# KiCad board main_MagicAlonso-rounded.kicad_pcb
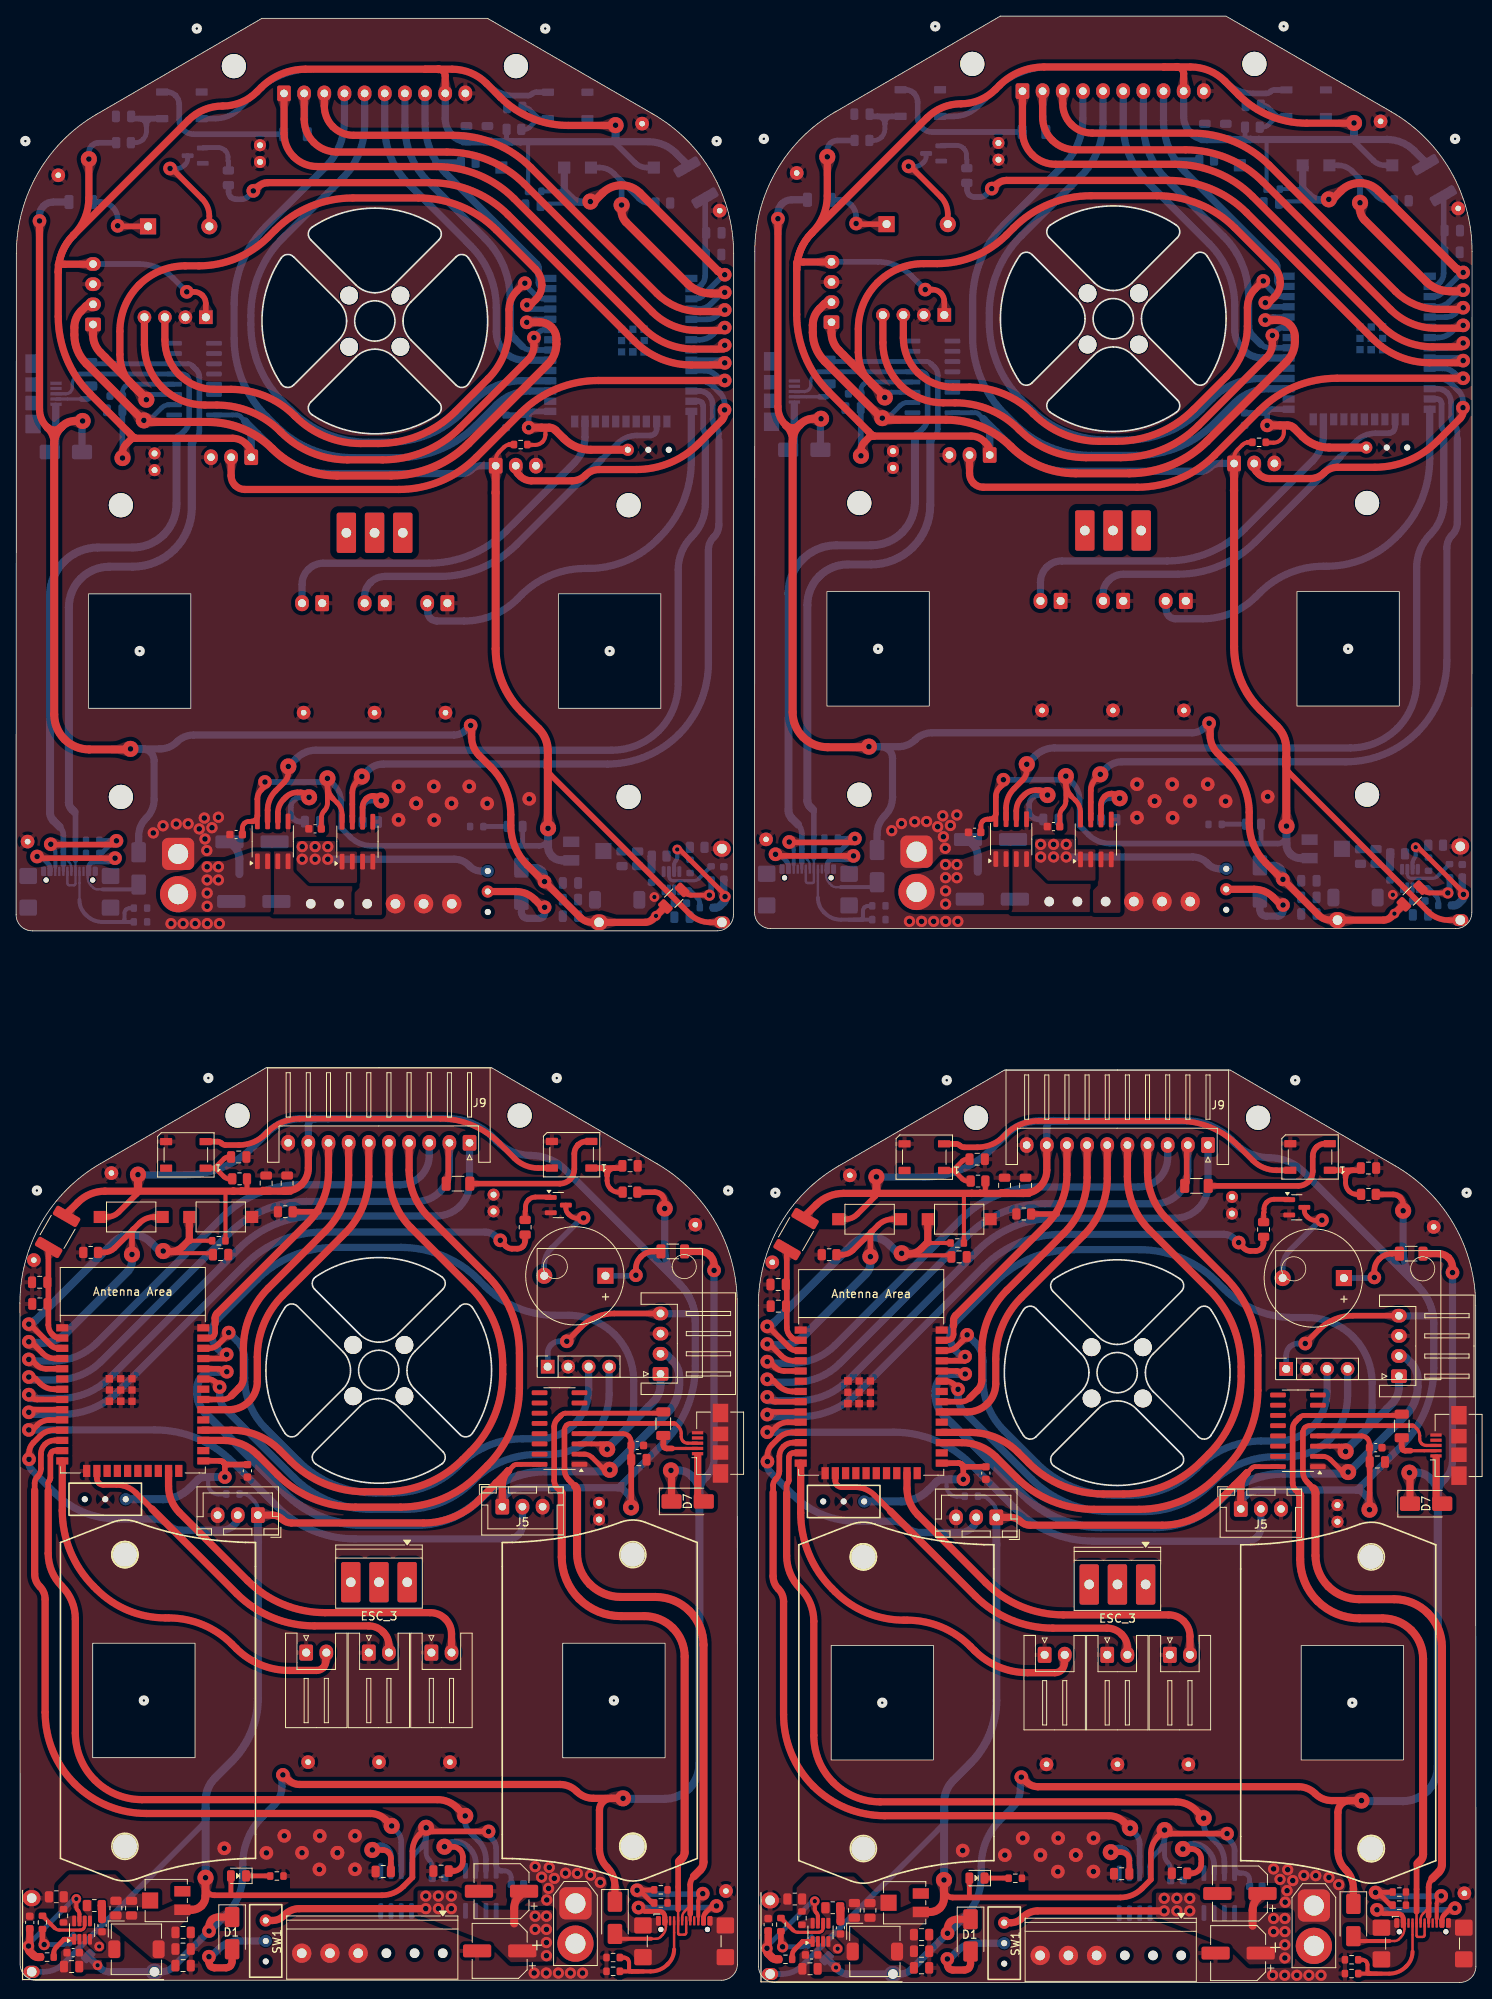
[diagram p0: board, top side]
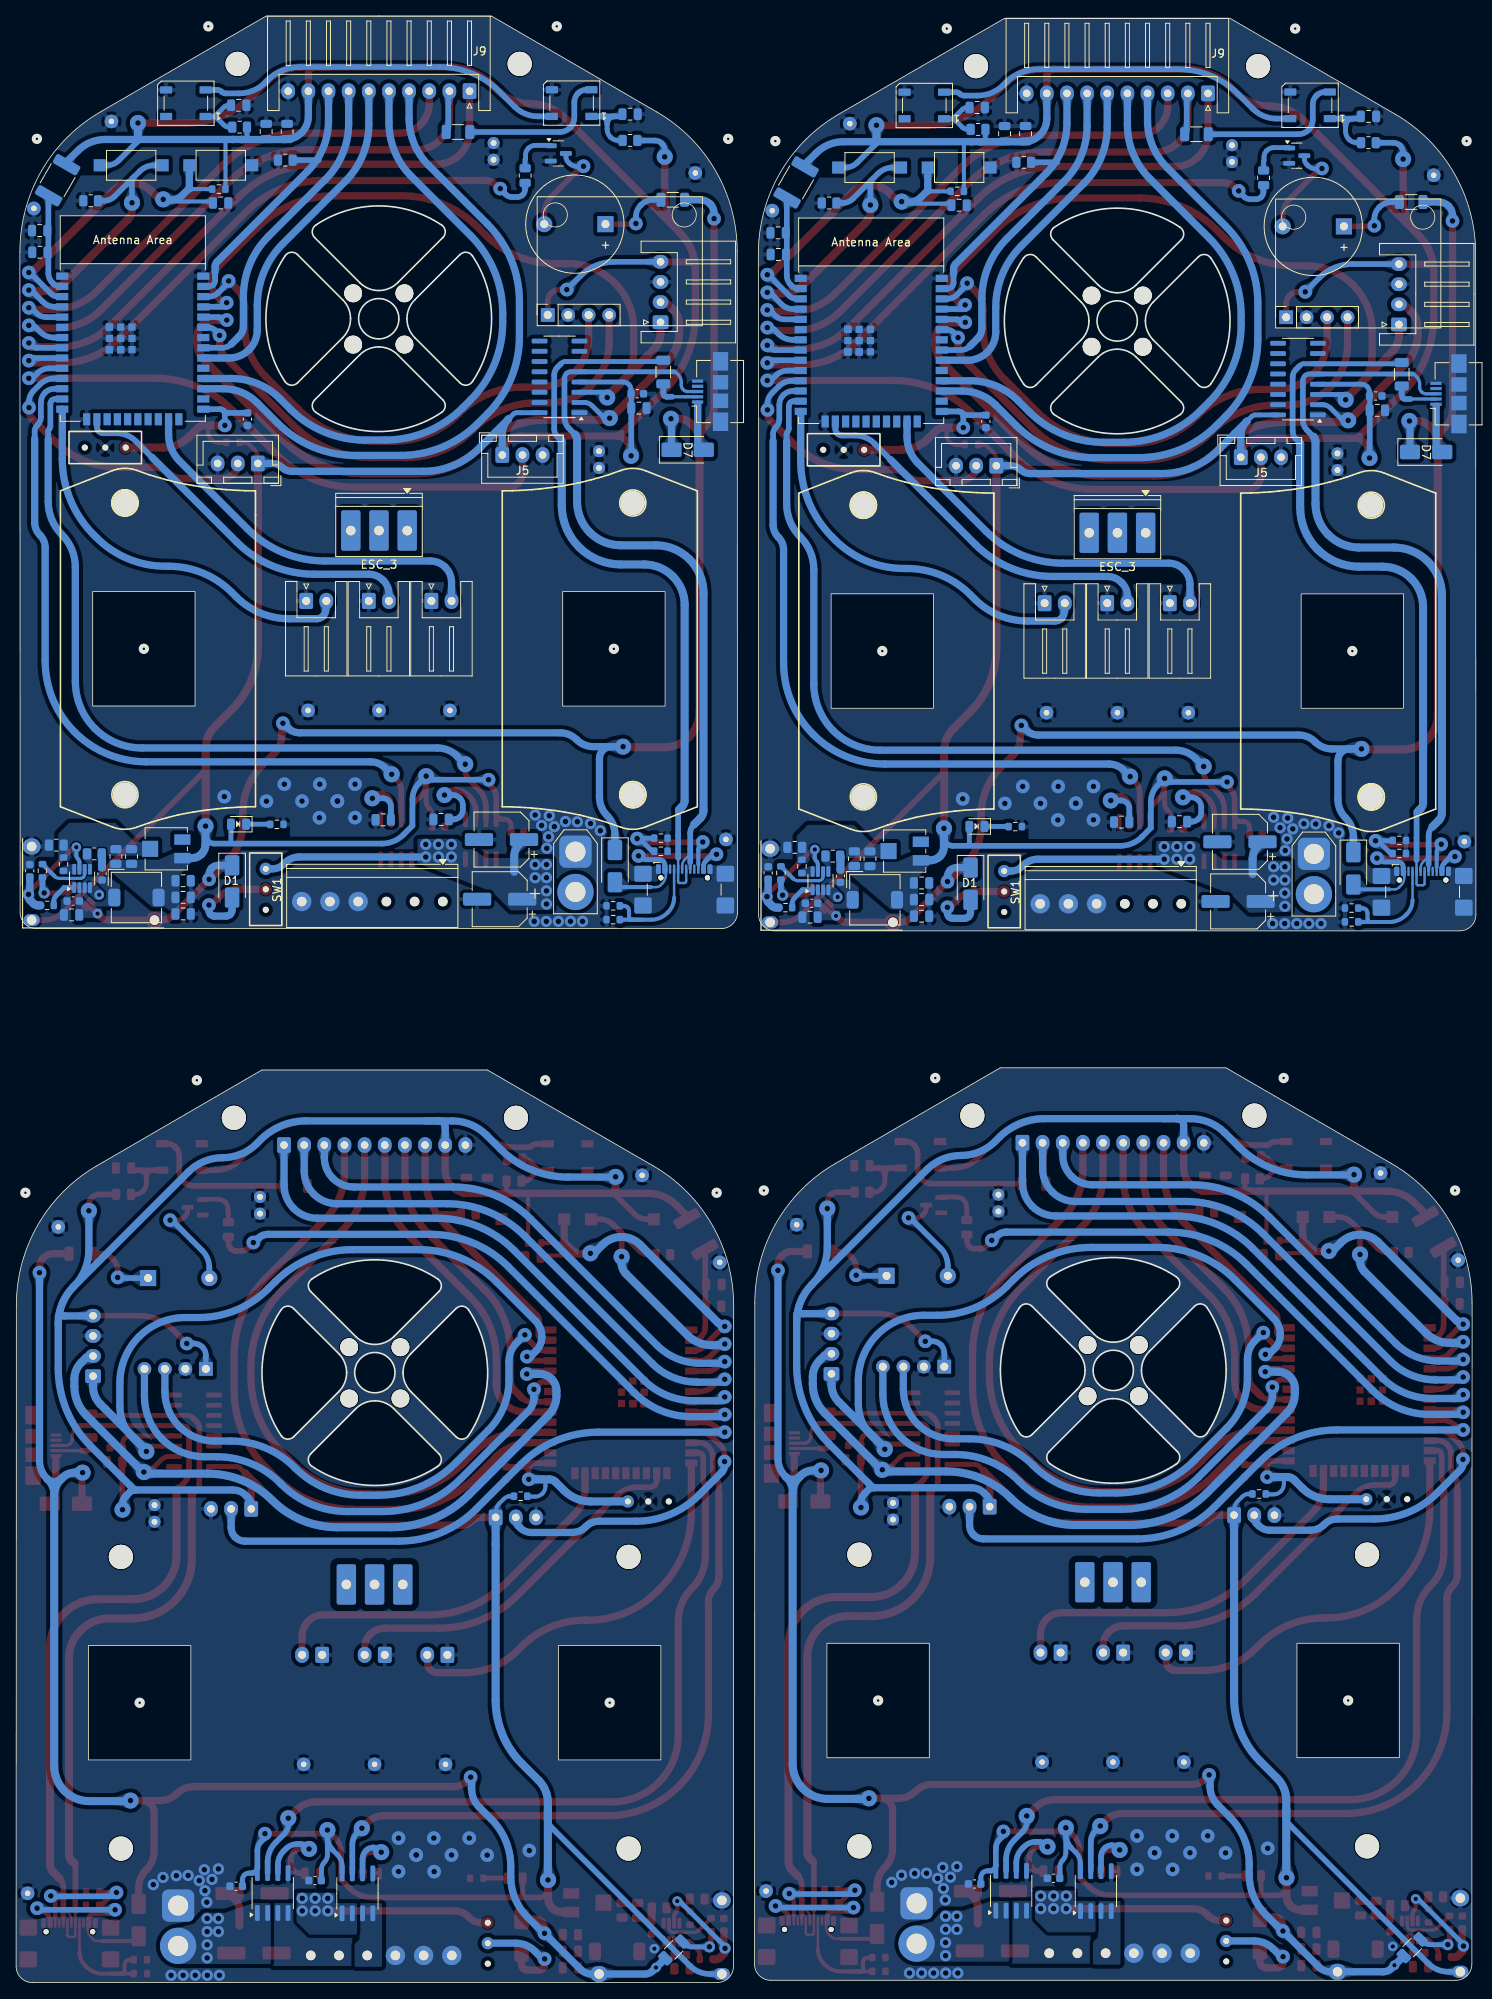
[diagram p1: board, bottom side, seen from below]

Outline 181.12 x 244.03 mm; copper layers: Top, Bottom. Coordinates in mm from the lower left corner of the outline.
Outline path: circle c1.15,228.52 r0.4 ; circle c2.58,98.29 r0.4 ; circle c15.33,165.23 r0.4 ; circle c15.85,35 r0.4 ; circle c22.42,242.48 r0.4 ; circle c23.85,112.25 r0.4 ; circle c41.32,209.38 r1 ; circle c41.32,203.02 r1 ; circle c41.81,79.15 r1 ; circle c41.81,72.78 r1 ; circle c44.51,206.2 r2.5 ; circle c44.99,75.96 r2.5 ; circle c47.69,209.38 r1 ; circle c47.69,203.02 r1 ; circle c48.18,79.15 r1 ; circle c48.18,72.78 r1 ; circle c65.65,242.48 r0.4 ; circle c67.08,112.25 r0.4 ; circle c73.65,165.24 r0.4 ; circle c74.17,35 r0.4 ; circle c86.92,228.52 r0.4 ; circle c88.35,98.29 r0.4 ; circle c92.77,228.8 r0.4 ; circle c94.2,98.01 r0.4 ; circle c106.95,165.51 r0.4 ; circle c107.47,34.72 r0.4 ; circle c114.04,242.76 r0.4 ; circle c115.47,111.97 r0.4 ; circle c132.95,209.66 r1 ; circle c132.95,203.29 r1 ; circle c133.44,78.87 r1 ; circle c133.44,72.5 r1 ; circle c136.13,206.48 r2.5 ; circle c136.62,75.69 r2.5 ; circle c139.31,209.66 r1 ; circle c139.31,203.29 r1 ; circle c139.8,78.87 r1 ; circle c139.8,72.5 r1 ; circle c157.27,242.76 r0.4 ; circle c158.7,111.97 r0.4 ; circle c165.27,165.52 r0.4 ; circle c165.79,34.72 r0.4 ; circle c178.54,228.8 r0.4 ; circle c179.97,98.01 r0.4 ; 0,132.51 0.03,214.56 arc(2.7,224.54) 9.99,231.85 30.49,243.75 58.49,243.75 79.04,231.86 arc(86.36,224.54) 89.03,214.54 89,132.51 arc(88.41,131.1) 87,130.51 2,130.51 arc(0.59,131.1) 0,132.51 ; 0.47,84.31 arc(3.14,94.3) 10.46,101.63 31.01,113.52 59.01,113.52 79.51,101.62 arc(86.8,94.3) 89.47,84.33 89.5,2.28 arc(88.91,0.86) 87.5,0.28 2.5,0.28 arc(1.09,0.86) 0.5,2.28 0.47,84.31 ; 32.89,214.01 arc(33.62,214.45) 34.43,214.16 40.03,208.55 arc(40.75,207.47) 41.01,206.2 arc(40.75,204.92) 40.03,203.84 34.43,198.24 arc(33.62,197.95) 32.89,198.39 arc(30.51,206.2) 32.89,214.01 ; 33.37,83.77 arc(34.11,84.21) 34.91,83.92 40.52,78.32 arc(41.24,77.24) 41.49,75.96 arc(41.24,74.69) 40.52,73.61 34.91,68 arc(34.11,67.72) 33.37,68.15 arc(30.99,75.96) 33.37,83.77 ; 36.55,216.28 arc(36.26,217.08) 36.7,217.82 arc(44.51,220.2) 52.32,217.82 arc(52.75,217.08) 52.47,216.28 46.86,210.67 arc(45.78,209.95) 44.51,209.7 arc(43.23,209.95) 42.15,210.67 36.55,216.28 ; 36.7,194.58 arc(36.26,195.31) 36.55,196.12 42.15,201.72 arc(43.23,202.44) 44.51,202.7 arc(45.78,202.44) 46.86,201.72 52.47,196.12 arc(52.75,195.31) 52.32,194.58 arc(44.51,192.2) 36.7,194.58 ; 37.03,86.05 arc(36.75,86.85) 37.18,87.58 arc(44.99,89.96) 52.8,87.58 arc(53.24,86.85) 52.95,86.05 47.35,80.44 arc(46.27,79.72) 44.99,79.46 arc(43.72,79.72) 42.64,80.44 37.03,86.05 ; 37.18,64.35 arc(36.74,65.08) 37.03,65.88 42.64,71.49 arc(43.72,72.21) 44.99,72.46 arc(46.27,72.21) 47.35,71.49 52.95,65.88 arc(53.24,65.08) 52.8,64.35 arc(44.99,61.96) 37.18,64.35 ; 48.01,206.2 arc(48.26,207.47) 48.98,208.55 54.59,214.16 arc(55.39,214.45) 56.13,214.01 arc(58.51,206.2) 56.13,198.39 arc(55.39,197.95) 54.59,198.24 48.98,203.84 arc(48.26,204.92) 48.01,206.2 ; 48.49,75.96 arc(48.75,77.24) 49.47,78.32 55.07,83.92 arc(55.88,84.21) 56.61,83.77 arc(58.99,75.96) 56.61,68.15 arc(55.88,67.72) 55.07,68 49.47,73.61 arc(48.75,74.69) 48.49,75.96 ; 91.62,132.79 91.65,214.84 arc(94.32,224.82) 101.61,232.13 122.11,244.03 150.11,244.03 170.67,232.14 arc(177.98,224.82) 180.65,214.82 180.62,132.79 arc(180.04,131.38) 178.62,130.79 93.62,130.79 arc(92.21,131.38) 91.62,132.79 ; 92.09,84.03 arc(94.77,94.03) 102.08,101.35 122.63,113.24 150.63,113.24 171.13,101.34 arc(178.42,94.02) 181.09,84.05 181.12,2 arc(180.54,0.59) 179.12,0 94.12,0 arc(92.71,0.59) 92.12,2 92.09,84.03 ; 124.51,214.29 arc(125.25,214.72) 126.05,214.44 131.66,208.83 arc(132.38,207.75) 132.63,206.48 arc(132.38,205.2) 131.66,204.12 126.05,198.52 arc(125.25,198.23) 124.51,198.67 arc(122.13,206.48) 124.51,214.29 ; 125,83.5 arc(125.73,83.93) 126.54,83.65 132.14,78.04 arc(132.86,76.96) 133.12,75.69 arc(132.86,74.41) 132.14,73.33 126.54,67.73 arc(125.73,67.44) 125,67.88 arc(122.62,75.69) 125,83.5 ; 128.17,216.56 arc(127.88,217.36) 128.32,218.09 arc(136.13,220.48) 143.94,218.09 arc(144.38,217.36) 144.09,216.56 138.48,210.95 arc(137.4,210.23) 136.13,209.98 arc(134.86,210.23) 133.78,210.95 128.17,216.56 ; 128.32,194.86 arc(127.88,195.59) 128.17,196.39 133.78,202 arc(134.86,202.72) 136.13,202.98 arc(137.4,202.72) 138.48,202 144.09,196.39 arc(144.38,195.59) 143.94,194.86 arc(136.13,192.48) 128.32,194.86 ; 128.66,85.77 arc(128.37,86.57) 128.81,87.3 arc(136.62,89.69) 144.43,87.3 arc(144.87,86.57) 144.58,85.77 138.97,80.16 arc(137.89,79.44) 136.62,79.19 arc(135.34,79.44) 134.26,80.16 128.66,85.77 ; 128.81,64.07 arc(128.37,64.8) 128.66,65.6 134.26,71.21 arc(135.34,71.93) 136.62,72.19 arc(137.89,71.93) 138.97,71.21 144.58,65.6 arc(144.87,64.8) 144.43,64.07 arc(136.62,61.69) 128.81,64.07 ; 139.63,206.48 arc(139.88,207.75) 140.61,208.83 146.21,214.44 arc(147.02,214.72) 147.75,214.29 arc(150.13,206.48) 147.75,198.67 arc(147.02,198.23) 146.21,198.52 140.61,204.12 arc(139.88,205.2) 139.63,206.48 ; 140.12,75.69 arc(140.37,76.96) 141.09,78.04 146.7,83.65 arc(147.5,83.93) 148.24,83.5 arc(150.62,75.69) 148.24,67.88 arc(147.5,67.44) 146.7,67.73 141.09,73.33 arc(140.37,74.41) 140.12,75.69
Stack: Top 0.035mm / dielectric 1.51mm FR4 er 4.5 / Bottom 0.035mm

## Placement (name value [footprint] x y rotation side)
BZ1  Buzzer  [Buzzer_12x9.5RM7.6]  73.12 87.7 180 top
BZ1#2  Buzzer  [Buzzer_12x9.5RM7.6]  164.75 87.43 180 top
BZ1#3  Buzzer  [Buzzer_12x9.5RM7.6]  108 218.22 0 bottom
BZ1#4  Buzzer  [Buzzer_12x9.5RM7.6]  16.38 217.94 0 bottom
C2  100uF  [CP_Elec_6.3x5.4]  151.85 11.05 180 top
C2#2  100uF  [CP_Elec_6.3x5.4]  60.22 11.33 180 top
C2#3  100uF  [CP_Elec_6.3x5.4]  29.27 141.56 0 bottom
C2#4  100uF  [CP_Elec_6.3x5.4]  120.9 141.84 0 bottom
C3  1uF  [C_0805_2012Metric]  94.55 86.62 180 top
C3#2  1uF  [C_0805_2012Metric]  2.92 86.9 180 top
C3#3  1uF  [C_0805_2012Metric]  178.2 217.42 0 bottom
C3#4  1uF  [C_0805_2012Metric]  86.58 217.14 0 bottom
C4  100nF  [C_0805_2012Metric]  2.95 84.21 180 top
C4#2  100nF  [C_0805_2012Metric]  94.57 83.94 180 top
C4#3  100nF  [C_0805_2012Metric]  178.17 214.73 0 bottom
C4#4  100nF  [C_0805_2012Metric]  86.55 214.45 0 bottom
C5  100nF  [C_0603_1608Metric]  118.92 142.74 0 top
C5#2  100nF  [C_0603_1608Metric]  27.3 142.46 0 top
C5#3  100nF  [C_0603_1608Metric]  62.2 12.23 180 bottom
C5#4  100nF  [C_0603_1608Metric]  153.82 11.95 180 bottom
C6  100nF  [C_0603_1608Metric]  37.09 143.17 0 top
C6#2  100nF  [C_0603_1608Metric]  128.71 143.45 0 top
C6#3  100nF  [C_0603_1608Metric]  52.41 12.94 180 bottom
C6#4  100nF  [C_0603_1608Metric]  144.03 12.66 180 bottom
C7  100nF  [C_0805_2012Metric]  117 90.05 0 top
C7#2  100nF  [C_0805_2012Metric]  25.37 90.33 0 top
C7#3  100nF  [C_0805_2012Metric]  64.12 220.56 180 bottom
C7#4  100nF  [C_0805_2012Metric]  155.75 220.84 180 bottom
C8  100nF  [C_0603_1608Metric]  28.7 63.5 270 top
C8#2  100nF  [C_0603_1608Metric]  120.32 63.22 270 top
C8#3  100nF  [C_0603_1608Metric]  152.42 194.02 270 bottom
C8#4  100nF  [C_0603_1608Metric]  60.8 193.74 270 bottom
C9  10nF  [C_0805_2012Metric]  52.72 13.83 180 top
C9#2  10nF  [C_0805_2012Metric]  144.35 13.55 180 top
C9#3  10nF  [C_0805_2012Metric]  128.4 144.34 0 bottom
C9#4  10nF  [C_0805_2012Metric]  36.77 144.06 0 bottom
C10  10nF  [C_0805_2012Metric]  45.55 13.78 180 top
C10#2  10nF  [C_0805_2012Metric]  137.17 13.5 180 top
C10#3  10nF  [C_0805_2012Metric]  135.57 144.29 0 bottom
C10#4  10nF  [C_0805_2012Metric]  43.95 144.01 0 bottom
C11  1uF  [C_0805_2012Metric]  122.65 98.93 90 top
C11#2  1uF  [C_0805_2012Metric]  31.02 99.2 90 top
C11#3  1uF  [C_0805_2012Metric]  150.1 229.72 90 bottom
C11#4  1uF  [C_0805_2012Metric]  58.47 229.44 90 bottom
C12  100nF  [C_0805_2012Metric]  33.62 99.2 90 top
C12#2  100nF  [C_0805_2012Metric]  125.25 98.93 90 top
C12#3  100nF  [C_0805_2012Metric]  147.5 229.72 90 bottom
C12#4  100nF  [C_0805_2012Metric]  55.88 229.44 90 bottom
C13  1uF  [C_0805_2012Metric]  77.27 64.88 0 top
C13#2  1uF  [C_0805_2012Metric]  168.9 64.6 0 top
C13#3  1uF  [C_0805_2012Metric]  103.85 195.39 180 bottom
C13#4  1uF  [C_0805_2012Metric]  12.22 195.11 180 bottom
C14  100nF  [C_0603_1608Metric]  77.07 66.65 0 top
C14#2  100nF  [C_0603_1608Metric]  168.7 66.38 0 top
C14#3  100nF  [C_0603_1608Metric]  104.05 197.17 180 bottom
C14#4  100nF  [C_0603_1608Metric]  12.42 196.89 180 bottom
C17  22uF  [C_0805_2012Metric]  6.88 1.98 180 top
C17#2  22uF  [C_0805_2012Metric]  98.51 1.7 180 top
C17#3  22uF  [C_0805_2012Metric]  174.24 132.49 0 bottom
C17#4  22uF  [C_0805_2012Metric]  82.62 132.21 0 bottom
C18  100nF  [C_0603_1608Metric]  7.08 3.7 180 top
C18#2  100nF  [C_0603_1608Metric]  98.71 3.43 180 top
C18#3  100nF  [C_0603_1608Metric]  82.42 133.94 0 bottom
C18#4  100nF  [C_0603_1608Metric]  174.04 134.22 0 bottom
C19  100nF  [C_0603_1608Metric]  102.28 6.8 270 top
C19#2  100nF  [C_0603_1608Metric]  10.66 7.08 270 top
C19#3  100nF  [C_0603_1608Metric]  78.84 137.31 270 bottom
C19#4  100nF  [C_0603_1608Metric]  170.47 137.59 270 bottom
C20  22uF  [C_0805_2012Metric]  20.72 6.22 0 top
C20#2  22uF  [C_0805_2012Metric]  112.34 5.94 0 top
C20#3  22uF  [C_0805_2012Metric]  68.78 136.45 180 bottom
C20#4  22uF  [C_0805_2012Metric]  160.4 136.73 180 bottom
C21  22uF  [C_0805_2012Metric]  112.34 1.82 0 top
C21#2  22uF  [C_0805_2012Metric]  20.72 2.1 0 top
C21#3  22uF  [C_0805_2012Metric]  68.78 132.33 180 bottom
C21#4  22uF  [C_0805_2012Metric]  160.4 132.61 180 bottom
C22  10uF  [C_0805_2012Metric]  20.72 4.16 0 top
C22#2  10uF  [C_0805_2012Metric]  112.34 3.88 0 top
C22#3  10uF  [C_0805_2012Metric]  160.4 134.67 180 bottom
C22#4  10uF  [C_0805_2012Metric]  68.78 134.39 180 bottom
C23  100nF  [C_0603_1608Metric]  1.69 7.46 90 top
C23#2  100nF  [C_0603_1608Metric]  93.31 7.18 90 top
C23#3  100nF  [C_0603_1608Metric]  179.43 137.97 90 bottom
C23#4  100nF  [C_0603_1608Metric]  87.81 137.69 90 bottom
C24  100nF  [C_0805_2012Metric]  27.62 102.45 0 top
C24#2  100nF  [C_0805_2012Metric]  119.25 102.18 0 top
C24#3  100nF  [C_0805_2012Metric]  61.88 232.69 180 bottom
C24#4  100nF  [C_0805_2012Metric]  153.5 232.97 180 bottom
C26  100nF  [C_0805_2012Metric]  76.17 101.35 0 top
C26#2  100nF  [C_0805_2012Metric]  167.8 101.07 0 top
C26#3  100nF  [C_0805_2012Metric]  13.32 231.59 180 bottom
C26#4  100nF  [C_0805_2012Metric]  104.95 231.87 180 bottom
C28  100uF  [CP_Elec_6.3x5.4]  60 3.93 180 top
C28#2  100uF  [CP_Elec_6.3x5.4]  151.62 3.65 180 top
C28#3  100uF  [CP_Elec_6.3x5.4]  29.5 134.16 0 bottom
C28#4  100uF  [CP_Elec_6.3x5.4]  121.12 134.44 0 bottom
D1  SS14  [D_SMA]  118.42 5.85 270 top
D1#2  SS14  [D_SMA]  26.8 6.13 270 top
D1#3  SS14  [D_SMA]  62.7 136.36 270 bottom
D1#4  SS14  [D_SMA]  154.32 136.64 270 bottom
D2  LED_On  [LED_0805_2012Metric]  27.74 13.26 180 top
D2#2  LED_On  [LED_0805_2012Metric]  119.36 12.98 180 top
D2#3  LED_On  [LED_0805_2012Metric]  153.38 143.77 0 bottom
D2#4  LED_On  [LED_0805_2012Metric]  61.76 143.49 0 bottom
D3  WS2812B  [LED_WS2812B_PLCC4_5.0x5.0mm_P3.2mm]  21.06 102.71 180 top
D3#2  WS2812B  [LED_WS2812B_PLCC4_5.0x5.0mm_P3.2mm]  112.68 102.43 180 top
D3#3  WS2812B  [LED_WS2812B_PLCC4_5.0x5.0mm_P3.2mm]  68.44 232.94 0 bottom
D3#4  WS2812B  [LED_WS2812B_PLCC4_5.0x5.0mm_P3.2mm]  160.06 233.22 0 bottom
D5  WS2812B  [LED_WS2812B_PLCC4_5.0x5.0mm_P3.2mm]  68.92 102.73 180 top
D5#2  WS2812B  [LED_WS2812B_PLCC4_5.0x5.0mm_P3.2mm]  160.55 102.45 180 top
D5#3  WS2812B  [LED_WS2812B_PLCC4_5.0x5.0mm_P3.2mm]  20.58 232.96 0 bottom
D5#4  WS2812B  [LED_WS2812B_PLCC4_5.0x5.0mm_P3.2mm]  112.2 233.24 0 bottom
D6  SS14  [D_SMA]  74.3 8.03 270 top
D6#2  SS14  [D_SMA]  165.92 7.75 270 top
D6#3  SS14  [D_SMA]  106.82 138.54 270 bottom
D6#4  SS14  [D_SMA]  15.2 138.26 270 bottom
D7  SS14  [D_SMA]  174.95 59.43 0 top
D7#2  SS14  [D_SMA]  83.32 59.7 0 top
D7#3  SS14  [D_SMA]  6.17 189.94 180 bottom
D7#4  SS14  [D_SMA]  97.8 190.22 180 bottom
ESC_3  -  [TerminalBlock_Phoenix_PT-1,5-3-3.5-H_1x03_P3.50mm_Horizontal]  48.52 49.68 180 top
ESC_3#2  -  [TerminalBlock_Phoenix_PT-1,5-3-3.5-H_1x03_P3.50mm_Horizontal]  140.15 49.4 180 top
ESC_3#3  -  [TerminalBlock_Phoenix_PT-1,5-3-3.5-H_1x03_P3.50mm_Horizontal]  132.6 180.19 0 bottom
ESC_3#4  -  [TerminalBlock_Phoenix_PT-1,5-3-3.5-H_1x03_P3.50mm_Horizontal]  40.98 179.91 0 bottom
F1  300mA  [Fuse_1812_4532Metric_Pad1.30x3.40mm_HandSolder]  5.15 93.15 270 top
F1#2  300mA  [Fuse_1812_4532Metric_Pad1.30x3.40mm_HandSolder]  96.77 92.88 270 top
F1#3  300mA  [Fuse_1812_4532Metric_Pad1.30x3.40mm_HandSolder]  175.97 223.67 270 bottom
F1#4  300mA  [Fuse_1812_4532Metric_Pad1.30x3.40mm_HandSolder]  84.35 223.39 270 bottom
H1  M3  [MountingHole_3mm]  105.12 52.82 0 top
H1#2  M3  [MountingHole_3mm]  13.5 53.1 0 top
H1#3  M3  [MountingHole_3mm]  76 183.33 180 bottom
H1#4  M3  [MountingHole_3mm]  167.62 183.61 180 bottom
H2  M3  [MountingHole_3mm]  105.12 16.62 0 top
H2#2  M3  [MountingHole_3mm]  13.5 16.9 0 top
H2#3  M3  [MountingHole_3mm]  167.62 147.41 180 bottom
H2#4  M3  [MountingHole_3mm]  76 147.13 180 bottom
H3  M3  [MountingHole_3mm]  168.12 52.82 0 top
H3#2  M3  [MountingHole_3mm]  76.5 53.1 0 top
H3#3  M3  [MountingHole_3mm]  104.62 183.61 180 bottom
H3#4  M3  [MountingHole_3mm]  13 183.33 180 bottom
H4  M3  [MountingHole_3mm]  168.12 16.62 0 top
H4#2  M3  [MountingHole_3mm]  76.5 16.9 0 top
H4#3  M3  [MountingHole_3mm]  104.62 147.41 180 bottom
H4#4  M3  [MountingHole_3mm]  13 147.13 180 bottom
H5  M3  [MountingHole_3mm]  119.1 107.31 0 top
H5#2  M3  [MountingHole_3mm]  27.48 107.59 0 top
H5#3  M3  [MountingHole_3mm]  62.02 237.82 180 bottom
H5#4  M3  [MountingHole_3mm]  153.64 238.1 180 bottom
H6  M3  [MountingHole_3mm]  154.1 107.31 0 top
H6#2  M3  [MountingHole_3mm]  62.48 107.59 0 top
H6#3  M3  [MountingHole_3mm]  118.64 238.1 180 bottom
H6#4  M3  [MountingHole_3mm]  27.02 237.82 180 bottom
H7  M2  [MountingHole_2.2mm_M2]  139.81 78.83 180 top
H7#2  M2  [MountingHole_2.2mm_M2]  48.18 79.11 180 top
H7#3  M2  [MountingHole_2.2mm_M2]  41.32 209.34 0 bottom
H7#4  M2  [MountingHole_2.2mm_M2]  132.94 209.62 0 bottom
H8  M2  [MountingHole_2.2mm_M2]  41.82 79.11 180 top
H8#2  M2  [MountingHole_2.2mm_M2]  133.44 78.83 180 top
H8#3  M2  [MountingHole_2.2mm_M2]  139.31 209.62 0 bottom
H8#4  M2  [MountingHole_2.2mm_M2]  47.68 209.34 0 bottom
H9  M2  [MountingHole_2.2mm_M2]  41.82 72.75 90 top
H9#2  M2  [MountingHole_2.2mm_M2]  133.44 72.47 90 top
H9#3  M2  [MountingHole_2.2mm_M2]  47.68 202.98 90 bottom
H9#4  M2  [MountingHole_2.2mm_M2]  139.31 203.26 90 bottom
H10  M2  [MountingHole_2.2mm_M2]  139.81 72.47 90 top
H10#2  M2  [MountingHole_2.2mm_M2]  48.18 72.75 90 top
H10#3  M2  [MountingHole_2.2mm_M2]  132.94 203.26 90 bottom
H10#4  M2  [MountingHole_2.2mm_M2]  41.32 202.98 90 bottom
J1  XT30PW-M  [AMASS_XT30U-M_1x02_P5.0mm_Vertical]  69.4 9.83 270 top
J1#2  XT30PW-M  [AMASS_XT30U-M_1x02_P5.0mm_Vertical]  161.02 9.55 270 top
J1#3  XT30PW-M  [AMASS_XT30U-M_1x02_P5.0mm_Vertical]  111.72 140.34 270 bottom
J1#4  XT30PW-M  [AMASS_XT30U-M_1x02_P5.0mm_Vertical]  20.1 140.06 270 bottom
J2  MPU6050  [MPU6050_Module]  75.2 82.51 90 top
J2#2  MPU6050  [MPU6050_Module]  166.82 82.23 90 top
J2#3  MPU6050  [MPU6050_Module]  105.92 213.02 90 bottom
J2#4  MPU6050  [MPU6050_Module]  14.3 212.74 90 bottom
J4  Encoder1  [JST_XH_B3B-XH-A_1x03_P2.50mm_Vertical]  30 58 180 top
J4#2  Encoder1  [JST_XH_B3B-XH-A_1x03_P2.50mm_Vertical]  121.62 57.72 180 top
J4#3  Encoder1  [JST_XH_B3B-XH-A_1x03_P2.50mm_Vertical]  59.5 188.24 0 bottom
J4#4  Encoder1  [JST_XH_B3B-XH-A_1x03_P2.50mm_Vertical]  151.12 188.52 0 bottom
J5  Encoder2  [JST_XH_B3B-XH-A_1x03_P2.50mm_Vertical]  151.95 58.78 0 top
J5#2  Encoder2  [JST_XH_B3B-XH-A_1x03_P2.50mm_Vertical]  60.32 59.05 0 top
J5#3  Encoder2  [JST_XH_B3B-XH-A_1x03_P2.50mm_Vertical]  29.18 189.29 180 bottom
J5#4  Encoder2  [JST_XH_B3B-XH-A_1x03_P2.50mm_Vertical]  120.8 189.57 180 bottom
J9  Sensors  [JST_XH_S10B-XH-A_1x10_P2.50mm_Horizontal]  147.88 103.93 180 top
J9#2  Sensors  [JST_XH_S10B-XH-A_1x10_P2.50mm_Horizontal]  56.26 104.21 180 top
J9#3  Sensors  [JST_XH_S10B-XH-A_1x10_P2.50mm_Horizontal]  124.86 234.72 0 bottom
J9#4  Sensors  [JST_XH_S10B-XH-A_1x10_P2.50mm_Horizontal]  33.24 234.44 0 bottom
J10  ESC1  [JST_XH_S2B-XH-A_1x02_P2.50mm_Horizontal]  127.61 40.66 0 top
J10#2  ESC1  [JST_XH_S2B-XH-A_1x02_P2.50mm_Horizontal]  35.99 40.94 0 top
J10#3  ESC1  [JST_XH_S2B-XH-A_1x02_P2.50mm_Horizontal]  145.13 171.46 180 bottom
J10#4  ESC1  [JST_XH_S2B-XH-A_1x02_P2.50mm_Horizontal]  53.51 171.18 180 bottom
J11  ESC2  [JST_XH_S2B-XH-A_1x02_P2.50mm_Horizontal]  135.38 40.66 0 top
J11#2  ESC2  [JST_XH_S2B-XH-A_1x02_P2.50mm_Horizontal]  43.76 40.94 0 top
J11#3  ESC2  [JST_XH_S2B-XH-A_1x02_P2.50mm_Horizontal]  137.37 171.46 180 bottom
J11#4  ESC2  [JST_XH_S2B-XH-A_1x02_P2.50mm_Horizontal]  45.74 171.18 180 bottom
J12  ESC3  [JST_XH_S2B-XH-A_1x02_P2.50mm_Horizontal]  143.15 40.66 0 top
J12#2  ESC3  [JST_XH_S2B-XH-A_1x02_P2.50mm_Horizontal]  51.52 40.94 0 top
J12#3  ESC3  [JST_XH_S2B-XH-A_1x02_P2.50mm_Horizontal]  37.98 171.18 180 bottom
J12#4  ESC3  [JST_XH_S2B-XH-A_1x02_P2.50mm_Horizontal]  129.6 171.46 180 bottom
J13  USB_C_Receptacle_USB2.0_16P  [USB_C_Receptacle_GCT_USB4110]  82.89 3.98 0 top
J13#2  USB_C_Receptacle_USB2.0_16P  [USB_C_Receptacle_GCT_USB4110]  174.51 3.7 0 top
J13#3  USB_C_Receptacle_USB2.0_16P  [USB_C_Receptacle_GCT_USB4110]  6.61 134.21 180 bottom
J13#4  USB_C_Receptacle_USB2.0_16P  [USB_C_Receptacle_GCT_USB4110]  98.23 134.49 180 bottom
J14  UART_Out  [JST_XH_S4B-XH-A_1x04_P2.50mm_Horizontal]  171.58 75.25 90 top
J14#2  UART_Out  [JST_XH_S4B-XH-A_1x04_P2.50mm_Horizontal]  79.95 75.53 90 top
J14#3  UART_Out  [JST_XH_S4B-XH-A_1x04_P2.50mm_Horizontal]  101.17 206.04 90 bottom
J14#4  UART_Out  [JST_XH_S4B-XH-A_1x04_P2.50mm_Horizontal]  9.54 205.76 90 bottom
J15  ESC_VM  [TerminalBlock_Phoenix_PT-1,5-6-3.5-H_1x06_P3.50mm_Horizontal]  52.94 3.64 180 top
J15#2  ESC_VM  [TerminalBlock_Phoenix_PT-1,5-6-3.5-H_1x06_P3.50mm_Horizontal]  144.56 3.36 180 top
J15#3  ESC_VM  [TerminalBlock_Phoenix_PT-1,5-6-3.5-H_1x06_P3.50mm_Horizontal]  128.18 134.15 0 bottom
J15#4  ESC_VM  [TerminalBlock_Phoenix_PT-1,5-6-3.5-H_1x06_P3.50mm_Horizontal]  36.56 133.87 0 bottom
J16  USB_B_Micro  [USB_Micro-B_Amphenol_10104110_Horizontal]  86.1 66.93 90 top
J16#2  USB_B_Micro  [USB_Micro-B_Amphenol_10104110_Horizontal]  177.72 66.65 90 top